# Altium PCB PcbLayout.PcbDoc (part 1 of 2)
Units mm, origin at the board's own origin, x right, y up, seen from the top; angles counter-clockwise.
Board outline 100.2 x 60.32 mm, 4 copper layers (Top level, GND, VDD Islands, Bottom level), stack 0.603 mm thick; 148 components, 119 nets, 459 pads, 174 vias.
Unrouted connection lines stored in the file: 11.
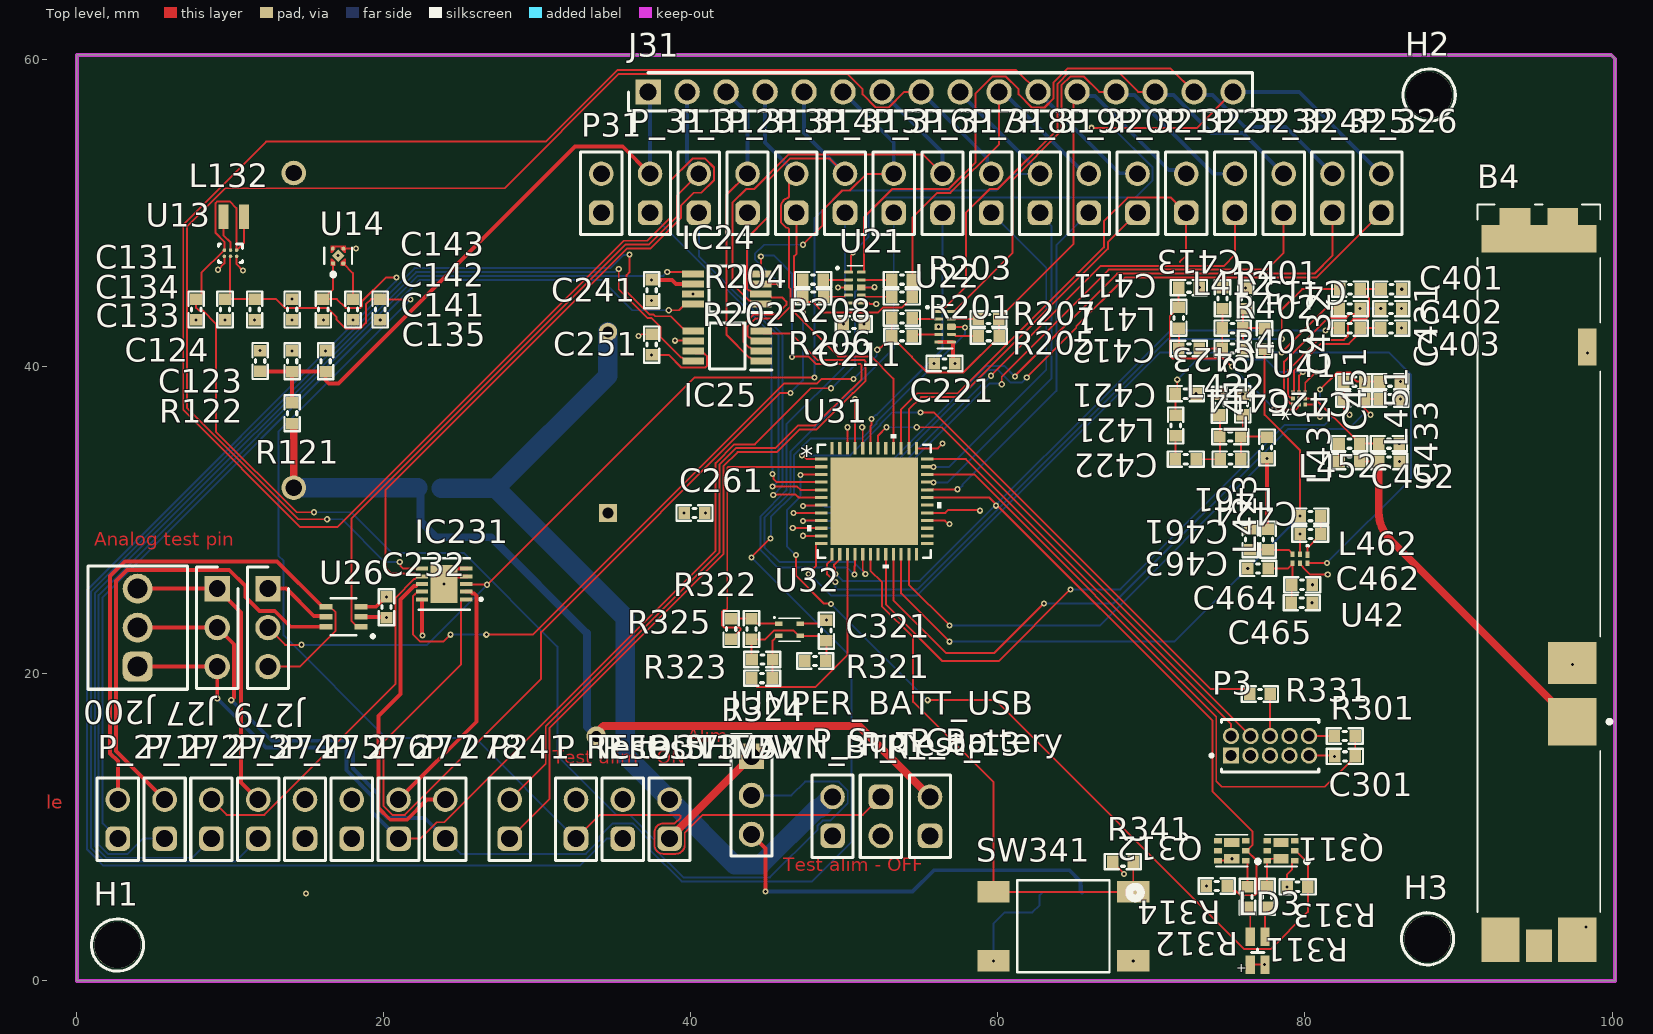
[diagram p0: Top level view]
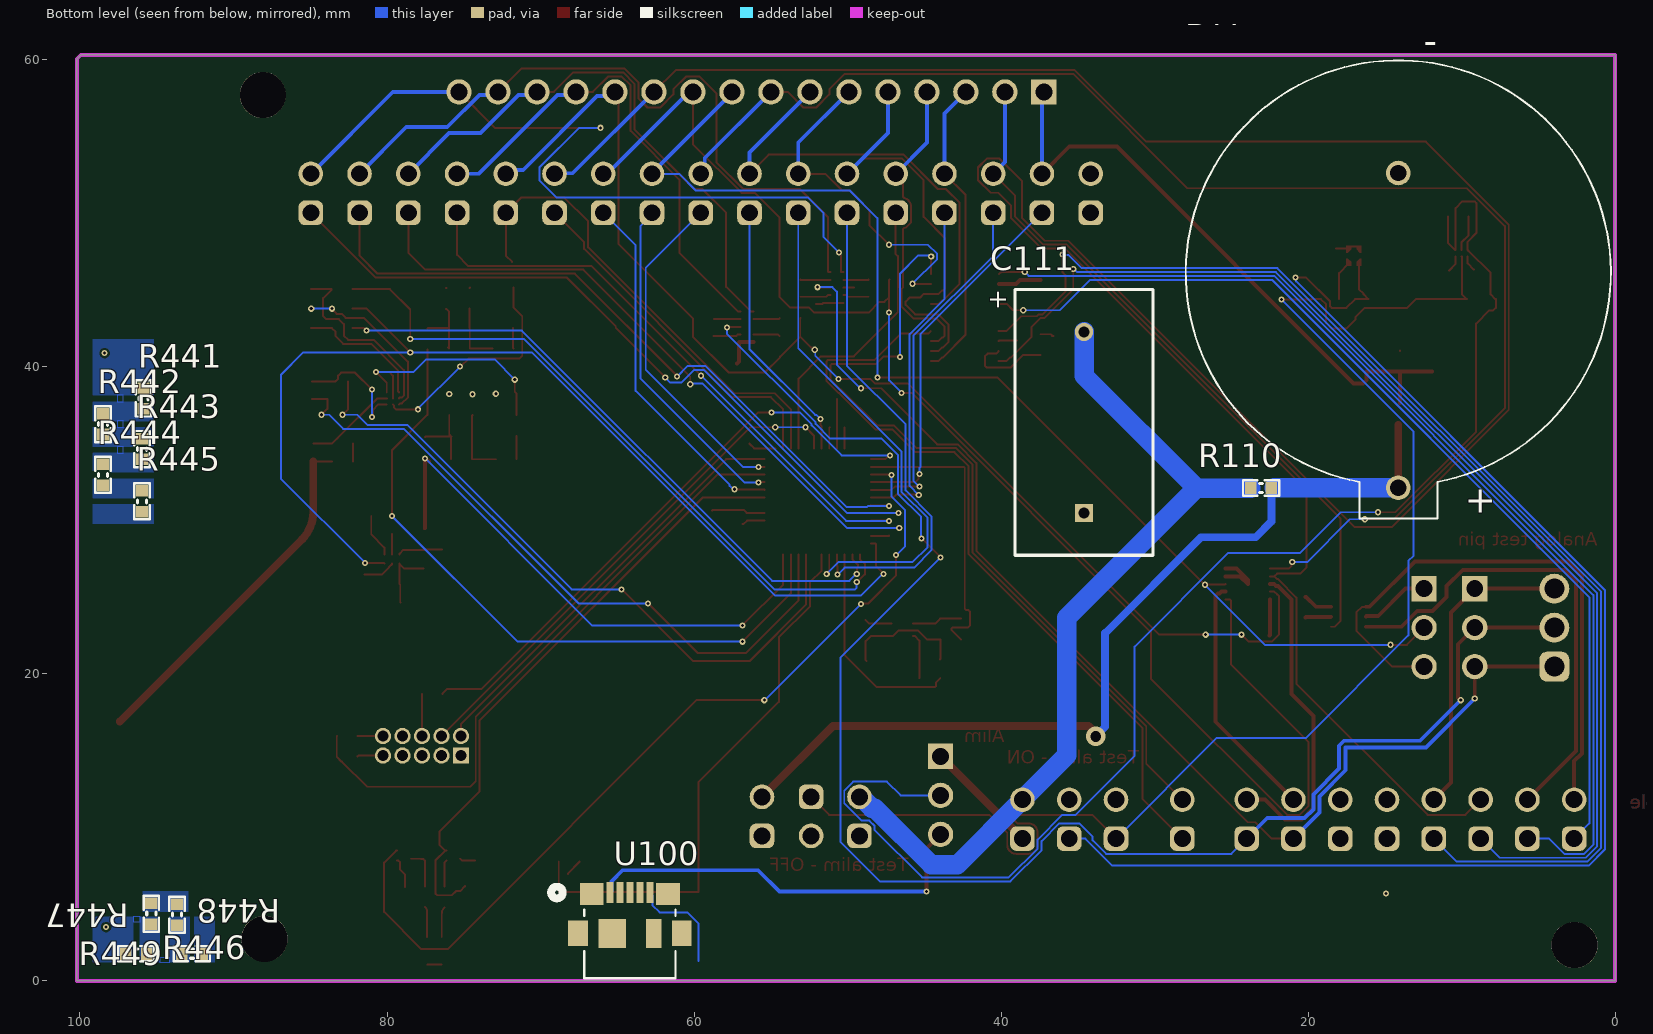
[diagram p1: Bottom level view, seen from below]
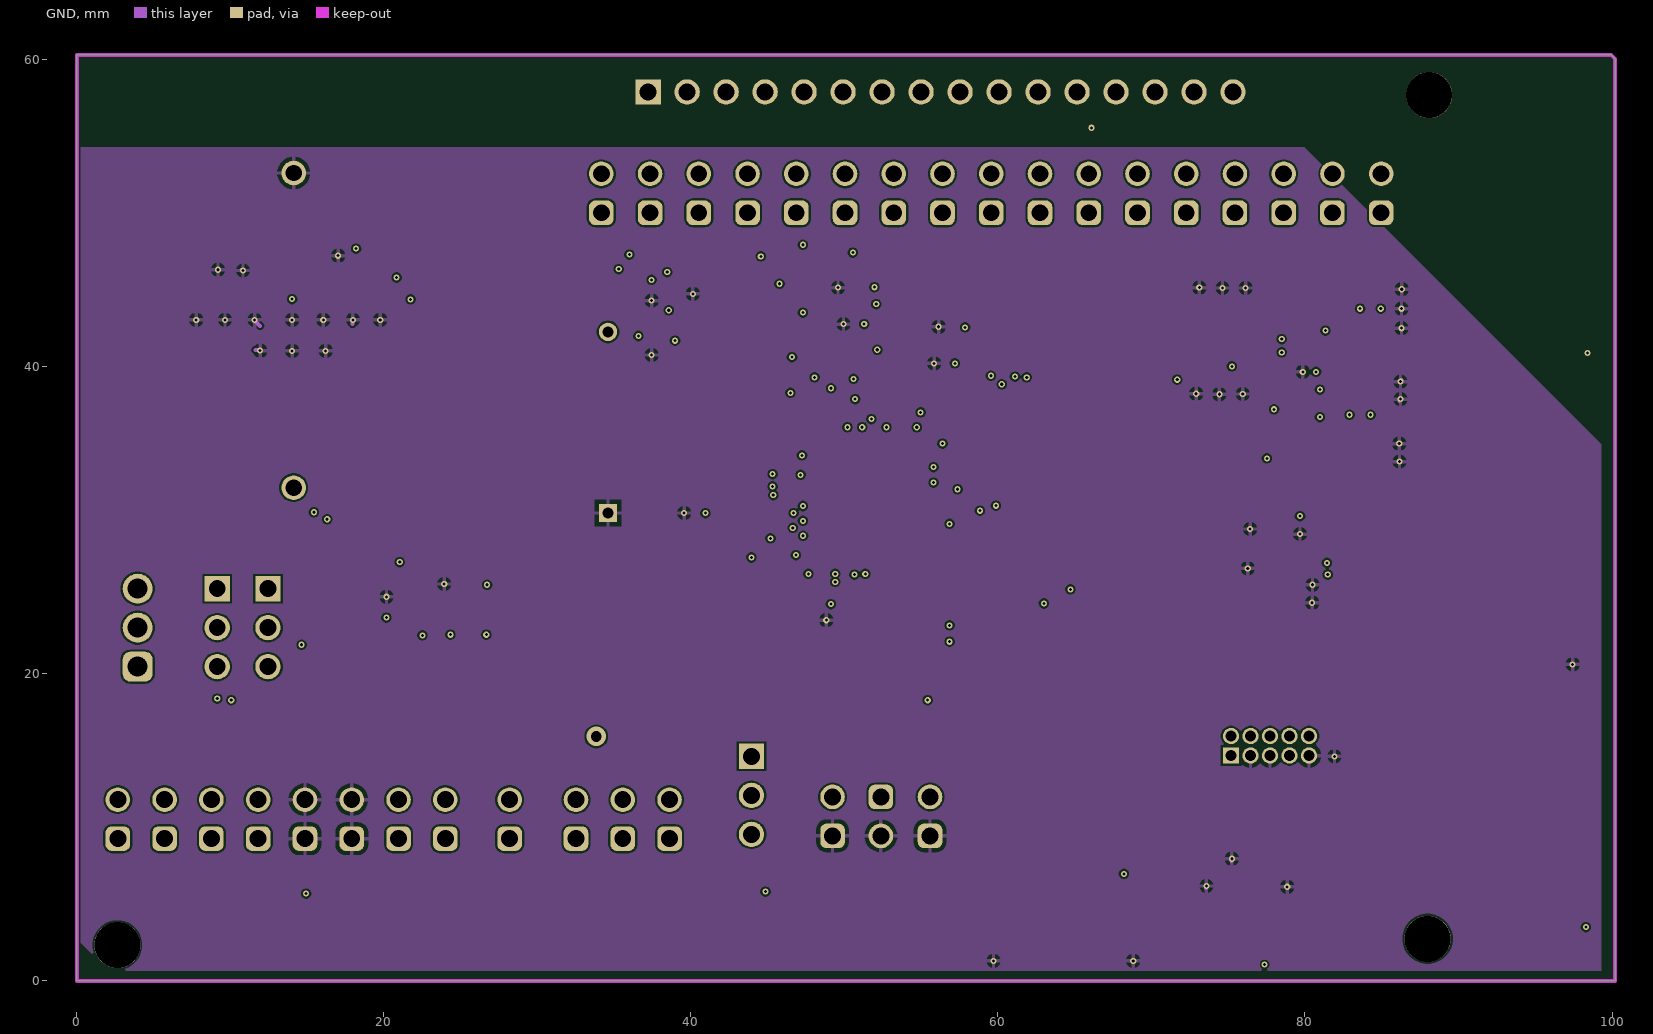
[diagram p2: GND]
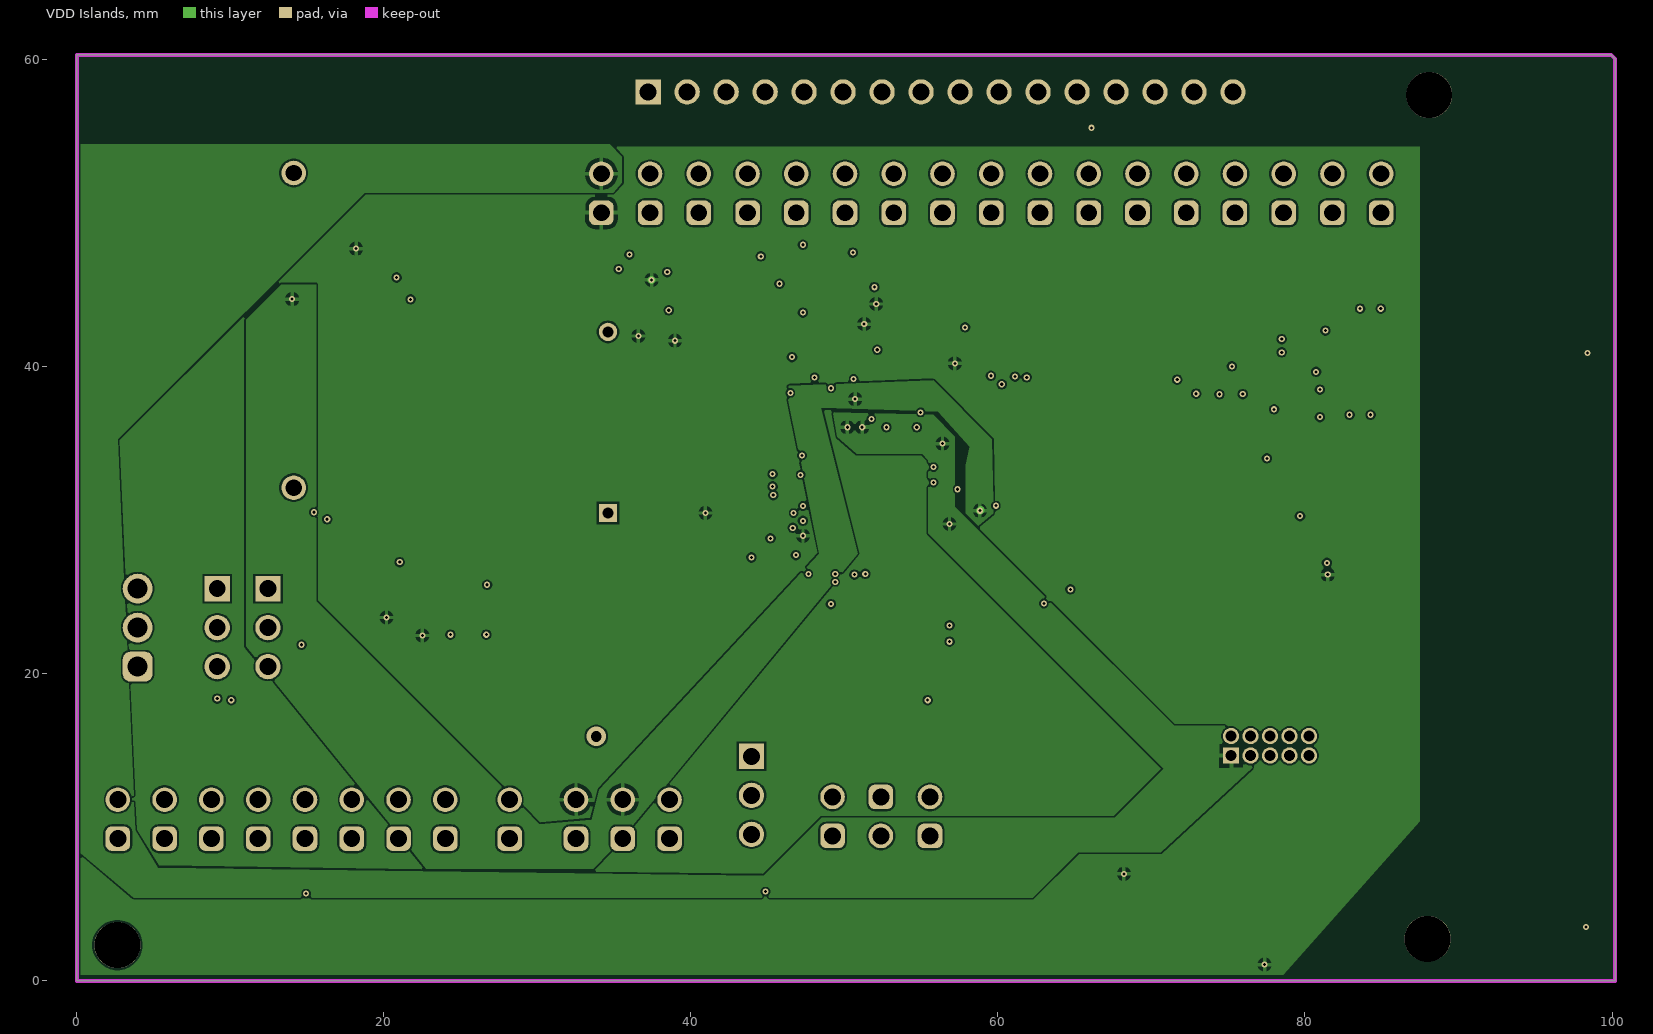
[diagram p3: VDD Islands]
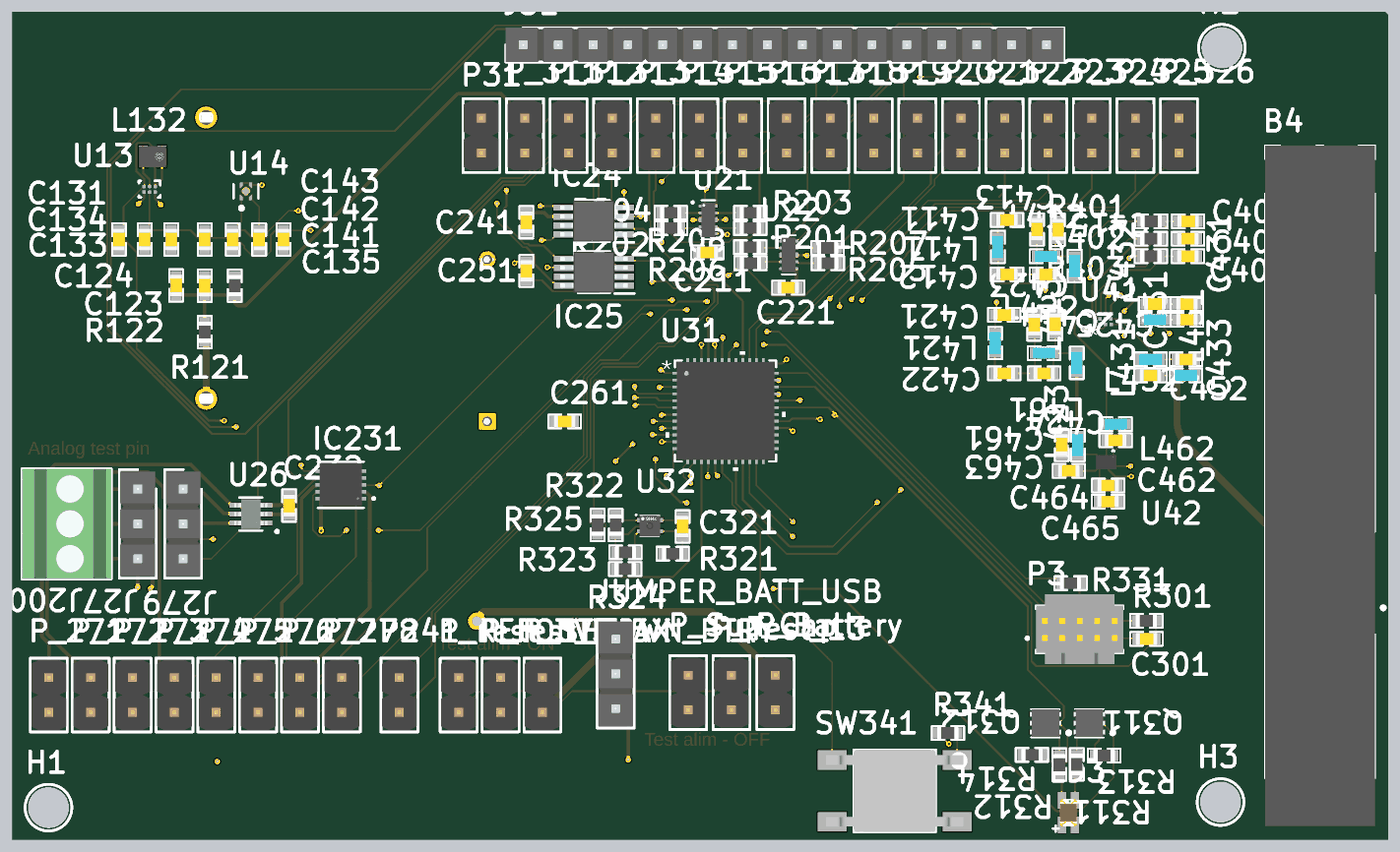
[diagram p5: 3D render of the assembled board from above, using the file's embedded part models]
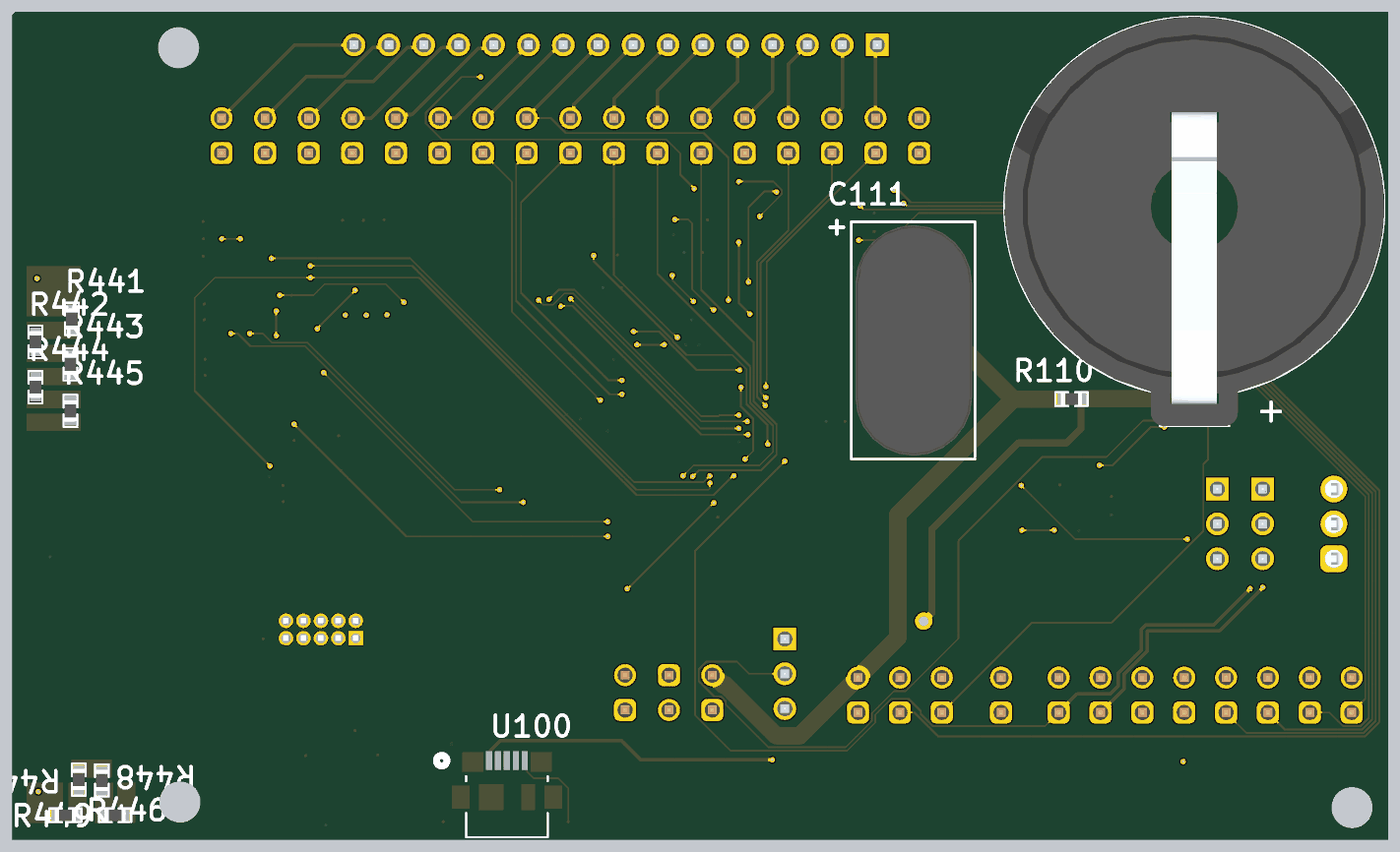
[diagram p6: 3D render of the assembled board from below, using the file's embedded part models]

## Layer stack, top to bottom
Top Solder: solder mask 0.0102, Solder Resist, Dk 3.5
Top level: signal copper 0.0356
Dielectric 2: prepreg 0.0711, PP-006, Dk 4.1
GND: signal copper 0.035
Dielectric 1: dielectric 0.32, FR-4, Dk 4.8
VDD Islands: signal copper 0.035
Dielectric 3: prepreg 0.0711, PP-006, Dk 4.1
Bottom level: signal copper 0.0356
Bottom Solder: solder mask 0.0102, Solder Resist, Dk 3.5

## Board outline
0,0 0,60.325 99.949,60.325 100.203,60.071 100.203,0

## Design rules (kind name [scope] priority, off if disabled: settings)
Clearance [All] p1: gap=0.127 ignorepadtopadclearanceinfootprint=TRUE
PlaneConnect [All] p1: planeconnectstyle=Relief reliefexpansion=0.254 reliefentries=4 reliefconductorwidth=0.254 reliefairgap=0.254
PolygonConnect [All] p1: connectstyle=Relief reliefconductorwidth=0.254 reliefentries=4 polygonreliefangle="90 Angle" airgapwidth=0.254
RoutingVias [All] p1: holewidth=0.2 width=0.4 viastyle="Through Hole" minholewidth=0.2 minwidth=0.4 maxholewidth=0.2 maxwidth=0.4
SolderMaskExpansion [All] p1: expansion=0.102 istentingtop=FALSE
Width [All] p1: maxlimit=1.27 minlimit=0.127 preferedwidth=0.508 toplayer_maxwidth=0.762 toplayer_prefwidth=0.127 midlayer1_minwidth=0.254 midlayer1_maxwidth=0.254 midlayer1_prefwidth=0.254 midlayer2_minwidth=0.254 midlayer2_maxwidth=0.508 bottomlayer_prefwidth=0.127 minimp=50.000000 maximp=50.000000 favimp=50.000000
29 further rules are at their usual default settings.

## Classes and differential pairs
net class N000-1_[16..1]: A0_Drain A0_Gate A1_Drain A1_Gate ANALOG1 ANALOG2 ANALOG3 ANALOG4 ANALOG5 ANALOG6 ANALOG7 ANALOG8 ANALOG9 ANALOG10 ANALOG11 ANALOG12
component class RF_antenna: B4 C401 C402 C403 C411 C412 C413 C414 C415 C421 C422 C423 C424 C425 C431 C432 C433 C451 C452 C461 C462 C463 C464 C465 L411 L412 L413 L421 L422 L423 L431 L451 L452 L461 L462 R401 R402 R403 R441 R442 R443 R444 R445 R446 R447 R448 R449 U41 U42
component class Processor: C301 C321 H1 H2 H3 J31 LD3 P3 P31 P_311 P_312 P_313 P_314 P_315 P_316 P_317 P_318 P_319 P_320 P_321 P_322 P_323 P_324 P_325 P_326 Q311 Q312 R301 R311 R312 R313 R314 R321 R322 R323 R324 R325 R331 R341 SW341 U31 U32
component class PowerElectronics: BT? C111 C123 C124 C131 C133 C134 C135 C141 C142 C143 JUMPER_BATT_USB L132 P_Battery P_SHTDWN_BTRY P_Sup_Cap P_test_1V5 P_Test_3V3 P_Test_13 R110 R121 R122 U13 U14 U100
component class AnalogParts: C211 C221 C232 C241 C251 C261 IC24 IC25 IC231 J27 J200 J279 P241_REFOUT_MAX P_271 P_272 P_273 P_274 P_275 P_276 P_277 P_278 R201 R202 R203 R204 R205 R206 R207 R208 U21 U22 U26

## Components (designator, comment, footprint, x,y, rotation, side; value= is the part's Value field where it differs from the comment)
B4 "P822601" P822601 95.234,25.791 r90 top
BT? "BatteryHolder_2477" BatteryHolder2477 14.122,46.129 r180 bottom
C111 "0.47F" TH_SUPCAP_PHVL3R9V474R 34.597,30.48 r90 bottom
C123 "100µF" CAPC1608X06L 14.021,40.371 r270 top value=4.7µF
C124 "1µF" CAPC1608X06L 11.938,40.386 r270 top value=4.7µF
C131 "10µF" CAPC1608X06L 7.772,43.739 r90 top value=4.7µF
C133 "10µF" CAPC1608X06L 11.582,43.739 r90 top value=4.7µF
C134 "10µF" CAPC1608X06L 9.652,43.739 r90 top value=4.7µF
C135 "22µF" CAPC1608X06L 19.761,43.739 r90 top value=4.7µF
C141 "1µF" CAPC1608X06L 17.983,43.739 r90 top
C142 "1µF" CAPC1608X06L 16.053,43.739 r90 top
C143 "1µF" CAPC1608X06L 14.021,43.739 r90 top
C211 "100nF" CAPC1608X06L 50.611,42.79 r180 top value=4.7µF
C221 "100nF" CAPC1608X06L 56.515,40.226 r180 top value=4.7µF
C232 "100nF" CAPC1608X06L 20.168,24.348 r90 top value=4.7µF
C241 "100nF" CAPC1608X06L 37.44,44.994 r270 top value=4.7µF
C251 "100nF" CAPC1608X06L 37.44,41.453 r270 top value=4.7µF
C261 "100nF" CAPC1608X06L 40.234,30.48 r180 top value=4.7µF
C301 "100nF" CAPC1608X06L 82.601,14.63 r180 top
C321 "100nF" CAPC1608X06L 48.819,22.824 r270 top
C401 "1nF" CAPC1608X06L 85.627,45.06 r180 top
C402 "1nF" CAPC1608X06L 85.613,43.79 r180 top
C403 "1nF" CAPC1608X06L 85.613,42.52 r180 top
C411 "1.3pF" CAPC1608X06L 72.441,45.161 r180 top
C412 "33pF" CAPC1608X06L 72.441,41.199 r0 top
C413 "3.3pF" CAPC1608X06L 74.625,44.465 r270 top
C414 "2.7pF" CAPC1608X06L 75.286,41.199 r0 top
C415 "5.6pF" CAPC1608X06L 76.149,44.45 r270 top
C421 "1.2pF" CAPC1608X06L 72.238,38.252 r180 top
C422 "68pF" CAPC1608X06L 72.238,33.985 r0 top
C423 "5.6pF" CAPC1608X06L 74.422,37.541 r90 top
C424 "2.2pF" CAPC1608X06L 75.148,33.985 r0 top
C425 "1.2pF" CAPC1608X06L 75.946,37.556 r90 top
C431 "1pF" CAPC1608X06L 85.547,39.04 r180 top
C432 "3.6pF" CAPC1608X06L 83.214,39.04 r180 top
C433 "2.7pF" CAPC1608X06L 85.547,37.897 r0 top
C451 "2.4pF" CAPC1608X06L 82.891,33.833 r180 top
C452 "0.3pF" CAPC1608X06L 85.467,35.001 r180 top
C461 "33pF" CAPC1608X06L 76.425,28.767 r270 top
C462 "33pF" CAPC1608X06L 80.351,29.108 r180 top value=2.4pF
C463 "1.2pF" CAPC1608X06L 76.947,26.873 r180 top
C464 "68pF" CAPC1608X06L 79.814,25.806 r0 top
C465 "47nF" CAPC1608X06L 79.792,24.638 r0 top
H1 "3mm,N.P" HOLE_NP_3MM 2.642,2.337 r0 top
H2 "3mm,N.P" HOLE_NP_3MM 88.087,57.709 r0 top
H3 "3mm,N.P" HOLE_NP_3MM 87.986,2.743 r0 top
IC24 "MAX5523EUA+" MAX5523EUA+ 42.34,45.08 r180 top
IC25 "MAX5523EUA+" MAX5523EUA+ 42.367,41.351 r180 top
IC231 "LTC2067IDD#TRPBF" 05-08-1699_ADI 23.927,25.857 r180 top
J27 "CONN HEADER VERT 3POS 2.54MM" "CONN HEADER VERT 3POS 2.54MM" 9.144,25.552 r270 top
J31 "PinStrip_16p" PinStrip_16p 37.211,57.912 r0 top
J200 "691210910003" CONN_3P_691210910003 3.962,23.012 r90 top
J279 "CONN HEADER VERT 3POS 2.54MM" "CONN HEADER VERT 3POS 2.54MM" 12.446,25.552 r270 top